# Altium PCB cam_cross_link.PcbDoc (part 2 of 4)
Units mm, origin at the board's own origin, x right, y up, seen from the top; angles counter-clockwise.
Board outline 68.55 x 39.09 mm, 6 copper layers (Signal_T, GND_T, PWR, Signal_INT, GND_B, Signal_B), stack 0.816 mm thick; 186 components, 134 nets, 893 pads, 753 vias.
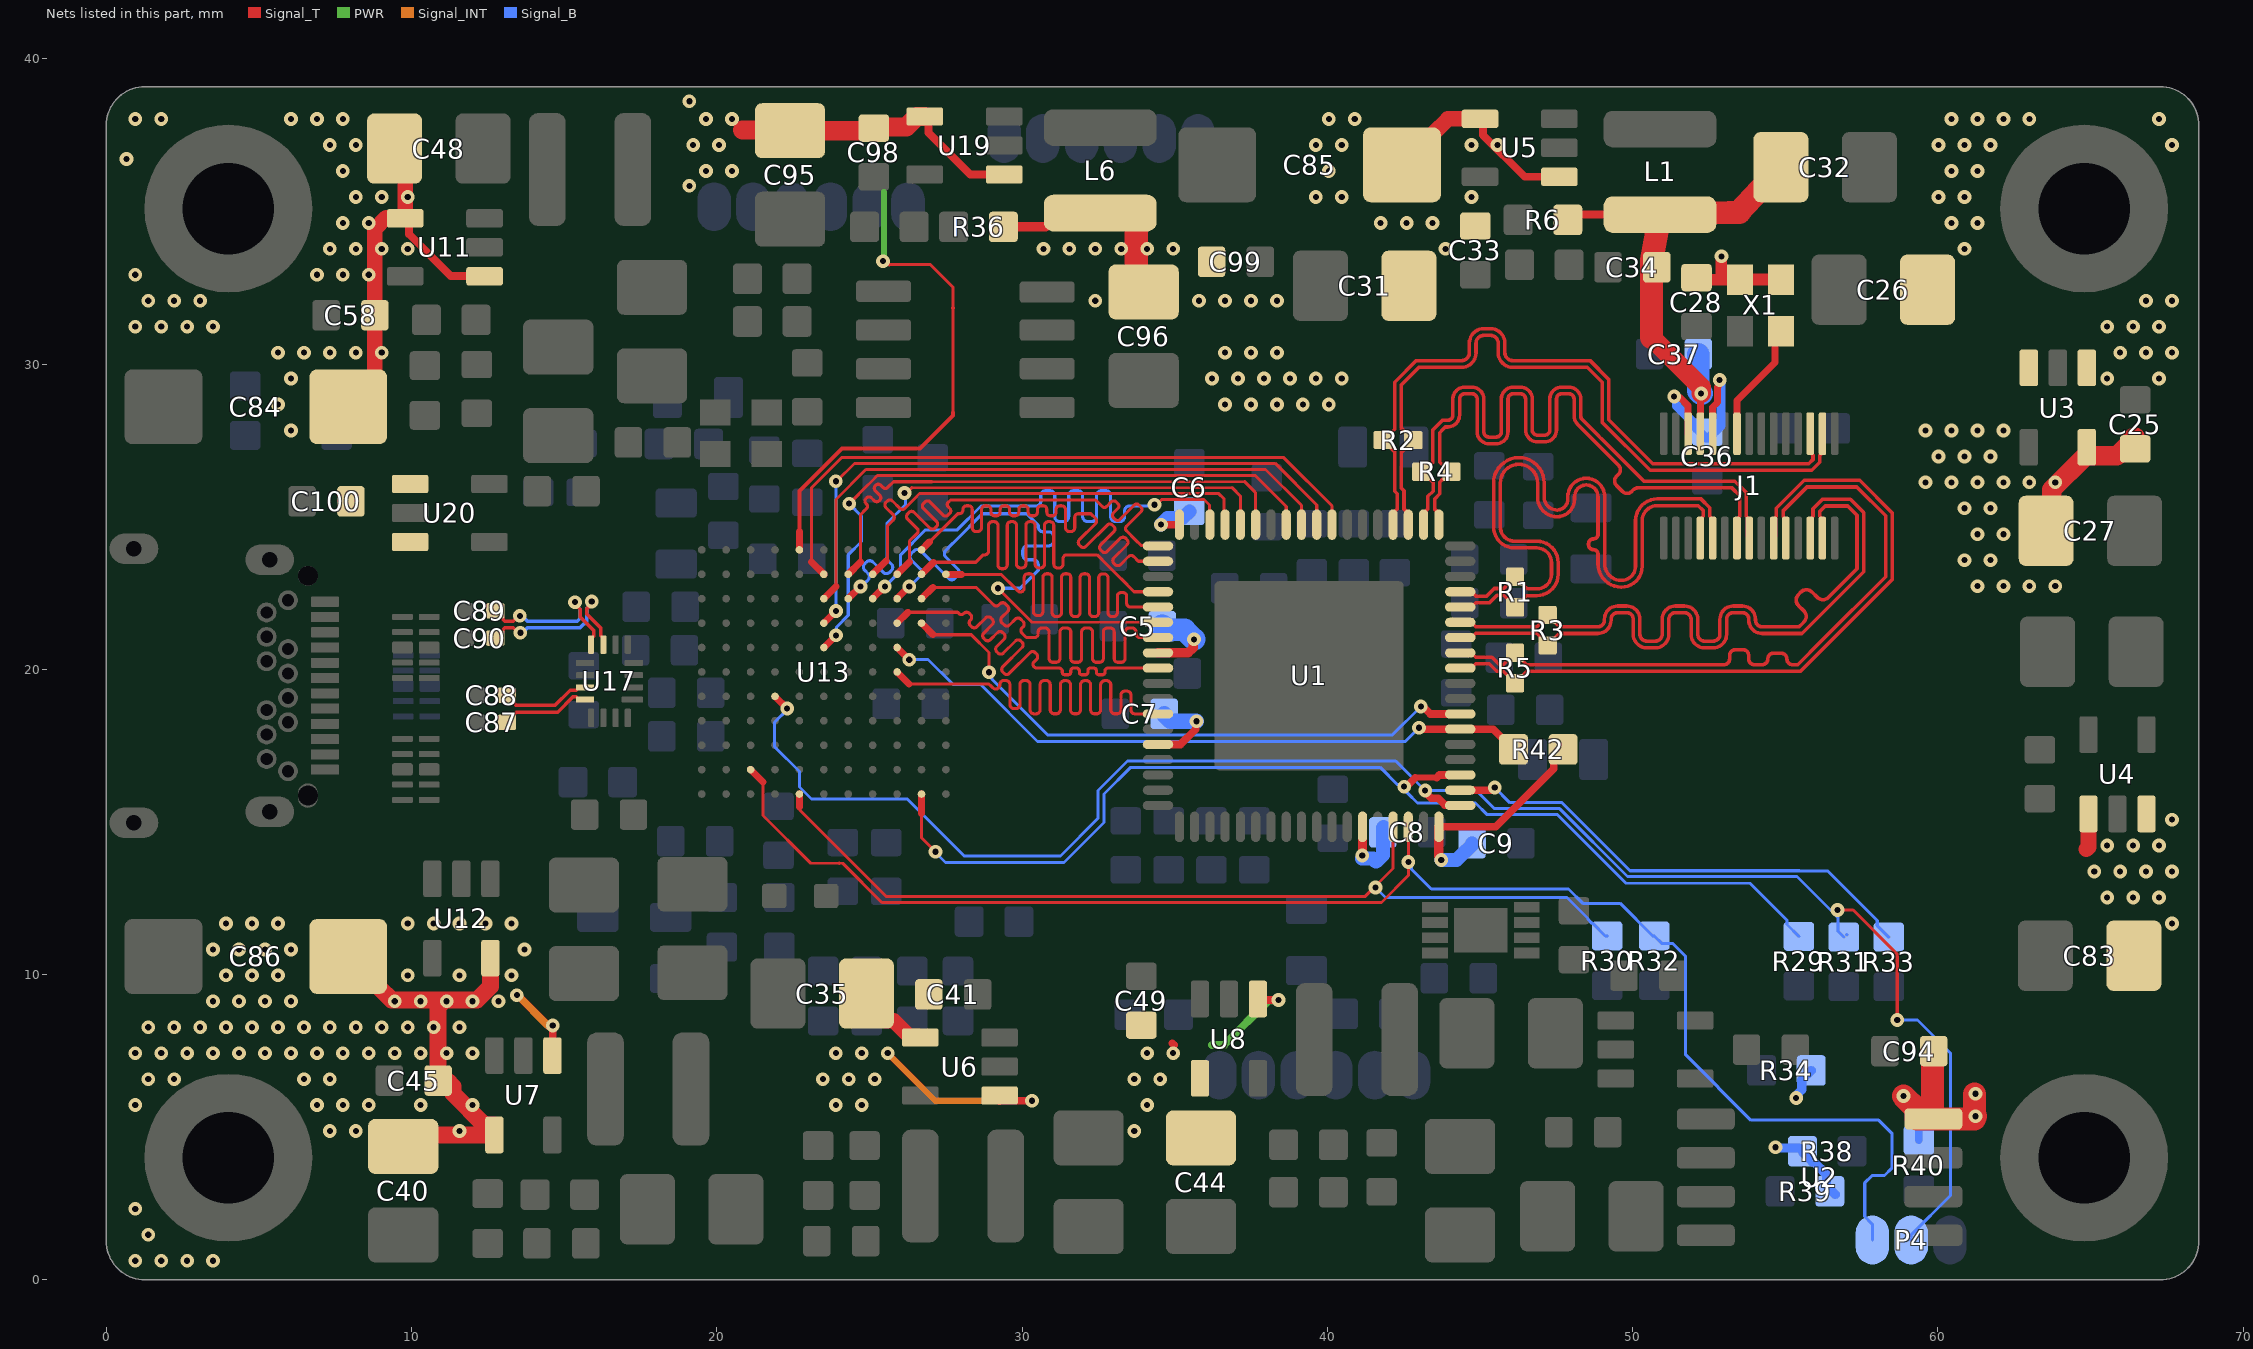
[diagram p6: the nets of this part, all layers, seen from the top]

## Via types
v1: diameter 0.45, hole 0.2, Signal_T to Signal_B, tented both sides, 740 vias
v2: diameter 0.5, hole 0.3, Signal_T to Signal_B, 9 vias
v3: diameter 0.45/0.45/0.45/0.45/0.45/0.45 (per signal layer), hole 0.2, Signal_T to Signal_B, tented both sides, 2 vias
v4: diameter 0.7, hole 0.3, Signal_T to Signal_B, 2 vias

## Nets (pads, with @x,y where several pads share a name; then routed paths per layer and width w, separated by ;. In a path a pad name is that pad's centre, name@x,y a point inside that pad or via, vN(x,y) a via of type N, cw(c..) or ccw(c..) an arc to the next point about the centre after c; other vN are vias at no path point) (continued)
+5V: C26.1 C31.1 C33.2 C35.1 C40.1 C41.2 C44.1 C45.2 C48.1 C49.2 C58.2 C83.1 C84.1 C85.1 C86.1 C95.1 C98.2 C100.2 U3.1 U3.3 U4.1 U4.3 U5.1 U5.4 U6.1 U6.4 U7.1 U7.4 U8.1 U8.4 U11.1 U11.4 U12.5 U13.E11 U19.1 U19.4 U20.1 U20.3 | length 78.3
  Signal_T w0.096: 25.65,33.257 26.994,33.257 27.737,32.515 27.737,31.834 ; 27.739,28.414 27.739,31.832
  Signal_T w0.127: 22.707,24.511 22.707,25.73 22.708,25.847 24.098,27.238 26.662,27.238 27.737,28.313 27.737,28.411 27.739,28.414 ; v1(25.449,33.371) 25.537,33.371 25.65,33.257 ; 27.737,31.834 27.739,31.832
  Signal_T w0.229: U13.E11@22.707,23.913 22.707,24.511
  Signal_T w0.254: U11.4@9.8,34.783 9.92,34.663 9.92,34.251 11.288,32.883 U11.1@12.4,32.883 ; U7.1@14.615,7.345 14.625,7.355 v1(14.625,8.333) ; U19.4@26.818,38.11 26.938,37.99 26.938,37.578 28.306,36.21 U19.1@29.418,36.21 ; U6.1@29.265,5.857 30.174,5.867 30.175,5.867 v1(30.328,5.867) ; 34.925,7.747 34.976,7.696 ; U8.1@37.729,9.199 37.759,9.17 v1(38.405,9.17) ; U5.4@45.004,38.034 45.099,37.939 45.099,37.502 46.467,36.134 U5.1@47.604,36.134
  Signal_T w0.508: C84.1@7.927,28.6 8.801,29.474 C58.2@8.801,31.598 8.801,34.43 9.169,34.798 9.785,34.798 9.8,34.783 9.8,36.705 C48.1@9.447,37.059 ; C35.1@24.905,9.377 24.905,9.127 25.551,8.481 25.801,8.481 26.301,7.981 26.619,7.981 U6.4@26.665,7.935 ; C85.1@42.446,36.525 42.496,36.525 43.467,37.496 43.467,37.546 43.955,38.034 U5.4@45.004,38.034 ; 64.872,14.097 64.938,14.163 U4.1@64.938,15.261
  Signal_T w0.559: C86.1@7.927,10.592 7.977,10.592 8.923,9.646 8.923,9.596 9.35,9.169 v1@11.1,9.169 ; C40.1@9.728,4.371 10.102,4.745 U7.4@12.715,4.745 12.715,5.045 12.695,5.066 12.395,5.066 11.359,6.101 11.359,6.332 C45.2@11.189,6.502 ; C45.2@10.871,6.528 10.871,8.941 v1@11.1,9.169 ; U12.5@12.583,10.536 12.583,9.611 12.141,9.169 v1@11.1,9.169
  Signal_T w0.635: 20.853,37.668 22.403,37.668 C95.1@22.403,37.645 25.146,37.645 C98.2@25.146,37.732 25.18,37.766 26.209,37.766 26.553,38.11 U19.4@26.818,38.11
  PWR w0.203: v1(25.449,33.371) 25.476,33.398 25.476,35.636
  PWR w0.254: 36.22,7.696 36.622,7.696 38.076,9.15 38.385,9.15 v1(38.405,9.17)
  Signal_INT w0.203: v1(25.6,7.424) 27.157,5.867 v1(30.328,5.867)
  Signal_INT w0.254: v1(13.45,9.324) 13.476,9.324 14.468,8.333 v1(14.625,8.333)
  other v1: 0.95,0.624 1.8,0.624 2.65,0.624 3.5,0.624 1.375,1.474 0.95,2.324 7.325,4.874 8.175,4.874 11.575,4.874 33.675,4.874 0.95,5.724 6.9,5.724 7.75,5.724 8.6,5.724 10.3,5.724 12,5.724 23.9,5.724 24.75,5.724 34.1,5.724 1.375,6.574 2.225,6.574 6.475,6.574 7.325,6.574 23.475,6.574 24.325,6.574 25.175,6.574 33.675,6.574 34.525,6.574 0.95,7.424 1.8,7.424 2.65,7.424 3.5,7.424 4.35,7.424 5.2,7.424 6.05,7.424 6.9,7.424 7.75,7.424 8.6,7.424 9.45,7.424 10.3,7.424 11.15,7.424 12,7.424 23.9,7.424 24.75,7.424 34.1,7.424 34.95,7.424 1.375,8.274 2.225,8.274 3.075,8.274 3.925,8.274 4.775,8.274 5.625,8.274 6.475,8.274 7.325,8.274 8.175,8.274 9.025,8.274 9.875,8.274 10.725,8.274 11.575,8.274 3.5,9.124 4.35,9.124 5.2,9.124 6.05,9.124 9.45,9.124 10.3,9.124 11.15,9.124 12,9.124 12.85,9.124 3.925,9.974 4.775,9.974 5.625,9.974 9.875,9.974 11.575,9.974 13.275,9.974 3.5,10.824 4.35,10.824 5.2,10.824 6.05,10.824 13.7,10.824 3.925,11.674 4.775,11.674 5.625,11.674 9.875,11.674 10.725,11.674 11.575,11.674 12.425,11.674 13.275,11.674 67.675,11.674 65.55,12.524 66.4,12.524 67.25,12.524 65.125,13.374 65.975,13.374 66.825,13.374 67.675,13.374 65.55,14.224 66.4,14.224 67.25,14.224 67.675,15.074 6.05,27.824 5.625,28.674 6.05,29.524 65.55,29.524 67.25,29.524 5.625,30.374 6.475,30.374 7.325,30.374 8.175,30.374 9.025,30.374 65.975,30.374 66.825,30.374 67.675,30.374 0.95,31.224 1.8,31.224 2.65,31.224 3.5,31.224 65.55,31.224 66.4,31.224 67.25,31.224 1.375,32.074 2.225,32.074 3.075,32.074 66.825,32.074 67.675,32.074 0.95,32.924 6.9,32.924 7.75,32.924 8.6,32.924 7.325,33.774 8.175,33.774 9.025,33.774 9.875,33.774 43.875,33.774 60.875,33.774 7.75,34.624 8.6,34.624 41.75,34.624 42.6,34.624 43.45,34.624 60.45,34.624 61.3,34.624 8.175,35.474 9.025,35.474 9.875,35.474 39.625,35.474 40.475,35.474 44.725,35.474 60.025,35.474 60.875,35.474 19.101,35.839 7.75,36.324 19.65,36.324 20.5,36.324 40.05,36.324 60.45,36.324 61.3,36.324 0.66,36.721 7.325,37.174 8.175,37.174 19.225,37.174 20.075,37.174 39.625,37.174 40.475,37.174 44.725,37.174 45.575,37.174 60.025,37.174 60.875,37.174 61.725,37.174 67.675,37.174 0.95,38.024 1.8,38.024 6.05,38.024 6.9,38.024 7.75,38.024 19.65,38.024 20.5,38.024 40.05,38.024 40.9,38.024 60.45,38.024 61.3,38.024 62.15,38.024 63,38.024 67.25,38.024 19.101,38.608
B1_N: C88.2 U17.11 | length 3
  Signal_T w0.117: C88.2@13.124,19.152 13.174,19.152 13.365,18.96 13.365,18.885 13.434,18.817 14.697,18.817 15.199,19.318 15.394,19.318 15.485,19.409 U17.11@15.685,19.409
B1_P: C87.2 U17.12 | length 3
  Signal_T w0.117: C87.2@13.124,18.263 13.174,18.263 13.365,18.454 13.365,18.529 13.434,18.598 14.788,18.598 15.289,19.099 15.394,19.099 15.485,19.009 U17.12@15.685,19.009
C1_N: C90.2 U17.7 | length 5.8
  Signal_T w0.117: C90.2@12.743,21.02 12.793,21.02 12.984,21.211 12.984,21.289 13.053,21.358 13.329,21.358 13.489,21.198 v1(13.564,21.198) ; v1@15.906,22.2 15.906,22.15 15.746,21.99 15.746,21.804 16.194,21.356 16.194,21.099 16.285,21.009 U17.7@16.285,20.809
  Signal_B w0.117: v1(13.564,21.198) 13.639,21.198 13.799,21.358 15.521,21.358 15.746,21.583 15.746,21.99 15.906,22.15 v1@15.906,22.2
  other v1: 15.906,22.225
C1_P: C89.2 U17.8 | length 5.5
  Signal_T w0.117: C89.2@12.743,21.915 12.793,21.915 12.984,21.723 12.984,21.646 13.053,21.577 13.329,21.577 13.489,21.737 v1@13.564,21.737 ; v1@15.367,22.2 15.367,22.125 15.527,21.965 15.527,21.713 15.975,21.265 15.975,21.099 15.885,21.009 U17.8@15.885,20.809
  Signal_B w0.117: v1@13.564,21.737 13.639,21.737 13.799,21.577 15.43,21.577 15.527,21.674 15.527,21.965 15.367,22.125 15.367,22.2 v1@15.367,22.29
  other v1: 13.548,21.752 15.354,22.2
C_1V2: C32.1 C34.2 C37.2 J1.27 L1.2 R6.1 | length 18.4
  Signal_T w0.229: J1.27@52.223,27.72 52.223,29.036 v1(52.248,29.036)
  Signal_T w0.254: R6.1@47.574,34.897 L1.2@50.622,34.897
  Signal_T w0.381: C34.2@50.622,33.376 L1.2@50.622,34.897
  Signal_T w0.635: 50.622,30.875 52.248,29.248 v1(52.248,29.036)
  Signal_T w0.762: 50.622,30.875 50.622,33.376 L1.2@50.902,34.897 53.174,34.966 53.492,34.976 C32.1@54.862,36.449
  Signal_B w0.737: v1@52.159,29.125 C37.2@52.159,30.328
  Signal_B w0.762: v1@52.159,29.125 v1(52.248,29.036)
C_1V8: C25.2 C27.1 C28.2 C36.2 J1.26 J1.28 U3.5 X1.1 X1.4 | length 15.7
  Signal_T w0.22: 52.623,28.584 52.783,28.744 52.783,29.249
  Signal_T w0.229: v1(51.365,28.936) 51.384,28.956 51.384,28.9 51.557,28.9 51.823,28.635 J1.28@51.823,27.72 ; J1.26@52.623,27.72 52.623,28.584 ; 52.783,29.249 52.811,29.277 52.811,29.433 v1(52.854,29.476)
  Signal_T w0.381: C28.2@52.095,32.829 52.163,32.762 52.908,32.762 ; v1(52.912,33.529) 52.908,33.529 52.908,32.762 ; X1.1@53.409,32.762 52.908,32.762 ; X1.1@53.517,32.768 X1.4@54.867,32.768
  Signal_T w0.635: C27.1@63.551,24.536 63.729,24.714 63.729,25.883 64.838,26.992 65.867,26.992 66.289,27.415 66.289,27.465 66.422,27.597 C25.2@66.472,27.597
  Signal_B w0.305: v1(51.365,28.936) 51.365,28.897 51.448,28.814 51.448,28.624 52.103,27.969 52.103,27.882 52.401,27.584 52.501,27.584 52.897,27.98 52.897,29.393 52.854,29.437 v1(52.854,29.476)
  other v1: 61.3,22.724 62.15,22.724 63,22.724 63.85,22.724 60.875,23.574 61.725,23.574 61.3,24.424 62.15,24.424 60.875,25.274 61.725,25.274 59.6,26.124 60.45,26.124 61.3,26.124 62.15,26.124 63,26.124 63.85,26.124 60.025,26.974 60.875,26.974 61.725,26.974 59.6,27.824 60.45,27.824 61.3,27.824 62.15,27.824
CAM_CLK: J1.24 X1.3 | length 3.9
  Signal_T w0.229: J1.24@53.423,27.72 53.423,28.8 54.667,30.045 54.667,30.869 X1.3@54.867,31.068
CAM_CLK_N: J1.5 R1.1 U1.69 | length 23.7
  Signal_T w0.117: U1.69@44.355,22.54 44.724,22.54 44.865,22.399 45.223,22.399 45.471,22.647 45.779,22.647 45.911,22.78 45.911,22.789 R1.1@46.152,23.03 46.547,22.635 46.866,22.635 ccw(c46.866,23.114) 47.346,23.114 47.346,23.495 ccw(c46.863,23.495) 46.863,23.978 46.136,23.978 cw(c46.136,24.663) 45.45,24.663 45.45,26.107 cw(c46.278,26.107) 46.278,26.935 cw(c46.278,26.105) 47.107,26.105 47.107,25.639 ccw(c47.529,25.639) 47.529,25.217 ccw(c47.529,25.568) 47.879,25.568 47.879,25.653 cw(c48.484,25.653) 48.484,26.258 cw(c48.484,25.654) 49.089,25.654 49.089,23.454 ccw(c49.632,23.454) 49.632,22.911 ccw(c49.632,23.378) 50.098,23.378 50.098,24.867 cw(c50.814,24.867) 50.814,25.582 52.246,25.582 52.532,25.296 52.532,25.01 52.56,24.982 52.56,24.363 J1.5@52.623,24.3
CAM_CLK_P: J1.4 R1.2 U1.68 | length 23.7
  Signal_T w0.117: U1.68@44.355,22.04 44.724,22.04 44.865,22.18 45.314,22.18 45.562,22.428 45.779,22.428 45.911,22.296 45.911,22.27 R1.2@46.152,22.03 46.538,22.416 46.866,22.416 ccw(c46.866,23.114) 47.565,23.114 47.565,23.495 ccw(c46.863,23.495) 46.863,24.197 46.136,24.197 cw(c46.136,24.663) 45.669,24.663 45.669,26.107 cw(c46.278,26.107) 46.278,26.716 cw(c46.278,26.105) 46.888,26.105 46.888,25.639 ccw(c47.529,25.639) 47.529,24.998 ccw(c47.529,25.568) 48.098,25.568 48.098,25.653 cw(c48.484,25.653) 48.484,26.039 cw(c48.484,25.654) 48.87,25.654 48.87,24.831 48.87,24.426 cw(c48.714,24.426) 48.714,24.27 ccw(c48.714,24.114) 48.558,24.114 48.558,24.079 ccw(c48.714,24.079) 48.714,23.923 cw(c48.714,23.767) 48.87,23.767 48.87,23.454 ccw(c49.632,23.454) 49.632,22.692 ccw(c49.632,23.378) 50.317,23.378 50.317,24.867 cw(c50.814,24.867) 50.814,25.363 52.155,25.363 52.313,25.205 52.313,25.01 52.286,24.982 52.286,24.363 J1.4@52.223,24.3
CAM_D0_N: J1.8 R4.1 U1.2 | length 23.7
  Signal_T w0.117: U1.2@43.155,24.74 43.155,25.109 43.295,25.25 43.295,25.665 43.469,25.838 43.469,26.123 ; 43.462,26.123 43.352,26.233 43.312,26.233 R4.1@43.071,26.473 43.312,26.714 43.392,26.714 43.462,26.783 43.462,27.845 43.774,28.158 43.942,28.158 ccw(c43.942,28.33) 44.115,28.33 44.115,28.854 cw(c44.506,28.854) 44.506,29.245 44.736,29.245 cw(c44.736,28.854) 45.128,28.854 45.128,27.781 ccw(c45.3,27.781) 45.3,27.609 45.53,27.609 ccw(c45.53,27.781) 45.703,27.781 45.703,28.854 cw(c46.094,28.854) 46.094,29.245 46.324,29.245 cw(c46.324,28.854) 46.715,28.854 46.715,27.842 ccw(c46.888,27.842) 46.888,27.67 47.118,27.67 ccw(c47.118,27.842) 47.29,27.842 47.29,28.854 cw(c47.682,28.854) 47.682,29.245 47.912,29.245 cw(c47.912,28.854) 48.303,28.854 48.303,28.303 ccw(c48.476,28.303) 48.354,28.181 48.911,27.624 49.002,27.533 50.374,26.161 53.351,26.161 53.732,25.78 53.732,25.01 53.76,24.982 53.76,24.363 J1.8@53.823,24.3
CAM_D0_P: J1.7 R4.2 U1.1 | length 23.6
  Signal_T w0.117: U1.1@43.655,24.74 43.655,25.109 43.514,25.25 43.514,25.574 43.688,25.748 43.688,26.123 ; 43.684,26.127 43.79,26.233 43.831,26.233 R4.2@44.071,26.473 43.831,26.714 43.75,26.714 43.681,26.783 43.681,27.755 43.774,27.848 43.865,27.939 43.942,27.939 ccw(c43.942,28.33) 44.334,28.33 44.334,28.854 cw(c44.506,28.854) 44.506,29.026 44.736,29.026 cw(c44.736,28.854) 44.909,28.854 44.909,27.781 ccw(c45.3,27.781) 45.3,27.39 45.53,27.39 ccw(c45.53,27.781) 45.921,27.781 45.921,28.854 cw(c46.094,28.854) 46.094,29.026 46.324,29.026 cw(c46.324,28.854) 46.496,28.854 46.496,27.842 ccw(c46.888,27.842) 46.888,27.451 47.118,27.451 ccw(c47.118,27.842) 47.509,27.842 47.509,28.854 cw(c47.682,28.854) 47.682,29.026 47.912,29.026 cw(c47.912,28.854) 48.084,28.854 48.084,28.303 ccw(c48.476,28.303) 48.199,28.026 48.756,27.469 49.002,27.223 49.54,26.685 cw(c49.391,26.536) 49.54,26.388 49.475,26.322 ccw(c49.624,26.173) 49.475,26.024 49.673,25.826 ccw(c49.822,25.975) 49.971,25.826 50.025,25.88 cw(c50.174,25.731) 50.174,25.942 50.885,25.942 53.26,25.942 53.513,25.689 53.513,25.01 53.486,24.982 53.486,24.363 J1.7@53.423,24.3
CAM_D1_N: J1.11 R5.1 U1.65 | length 23.7
  Signal_T w0.117: U1.65@44.355,20.54 44.724,20.54 44.865,20.399 45.394,20.399 45.643,20.15 45.761,20.15 R5.1@46.152,20.541 46.392,20.3 46.392,20.295 46.538,20.15 46.941,20.15 46.942,20.152 52.934,20.152 52.992,20.152 ccw(c52.992,20.339) 53.18,20.339 53.18,20.454 cw(c53.368,20.454) 53.368,20.641 53.618,20.641 cw(c53.618,20.454) 53.806,20.454 53.806,20.339 ccw(c53.993,20.339) 53.993,20.152 54.244,20.152 ccw(c54.244,20.339) 54.432,20.339 cw(c54.619,20.339) 54.619,20.527 54.87,20.527 cw(c54.87,20.339) 55.057,20.339 ccw(c55.245,20.339) 55.245,20.152 55.411,20.152 56.185,20.925 58.293,23.033 58.293,25.029 57.349,25.973 55.716,25.973 54.932,25.189 54.932,25.01 54.96,24.982 54.96,24.363 J1.11@55.023,24.3
CAM_D1_P: J1.10 R5.2 U1.64 | length 23.7
  Signal_T w0.117: U1.64@44.355,20.04 44.724,20.04 44.865,20.18 45.303,20.18 45.552,19.931 45.762,19.931 R5.2@46.152,19.541 ; R5.2@46.152,19.541 46.542,19.931 47.031,19.931 47.033,19.933 55.502,19.933 58.512,22.943 58.512,25.119 57.439,26.192 55.626,26.192 54.713,25.279 54.713,25.01 54.686,24.982 54.686,24.363 J1.10@54.623,24.3
CAM_D2_N: J1.14 R3.1 U1.67 | length 23.6
  Signal_T w0.117: U1.67@44.355,21.54 44.724,21.54 44.865,21.399 46.868,21.399 46.977,21.509 46.977,21.541 R3.1@47.218,21.782 47.608,21.391 48.692,21.391 48.86,21.391 ccw(c48.86,21.609) 49.078,21.609 49.078,21.638 cw(c49.515,21.638) 49.515,22.075 49.806,22.075 cw(c49.806,21.638) 50.243,21.638 50.243,21.144 ccw(c50.462,21.144) 50.462,20.926 50.753,20.926 ccw(c50.753,21.144) 50.971,21.144 50.971,21.638 cw(c51.408,21.638) 51.408,22.075 51.699,22.075 cw(c51.699,21.638) 52.136,21.638 52.136,21.144 ccw(c52.354,21.144) 52.354,20.926 52.645,20.926 ccw(c52.645,21.144) 52.863,21.144 52.863,21.638 cw(c53.301,21.638) 53.301,22.075 53.591,22.075 cw(c53.591,21.638) 54.029,21.638 54.029,21.609 ccw(c54.247,21.609) 54.247,21.391 55.452,21.391 55.572,21.511 55.575,21.514 55.617,21.555 ccw(c55.44,21.732) 55.617,21.909 55.433,22.093 cw(c55.61,22.27) 55.433,22.447 55.521,22.535 cw(c55.698,22.358) 55.875,22.535 56.059,22.352 ccw(c56.236,22.529) 56.413,22.352 56.782,22.72 57.353,23.292 57.353,25.044 57.302,25.095 57.048,25.349 56.312,25.349 56.132,25.169 56.132,25.01 56.16,24.982 56.16,24.363 J1.14@56.223,24.3
CAM_D2_P: J1.13 R3.2 U1.66 | length 23.6
  Signal_T w0.117: U1.66@44.355,21.04 44.724,21.04 44.865,21.18 46.868,21.18 46.977,21.071 46.977,21.022 R3.2@47.218,20.782 47.608,21.172 48.692,21.172 48.86,21.172 ccw(c48.86,21.609) 49.297,21.609 49.297,21.638 cw(c49.515,21.638) 49.515,21.856 49.806,21.856 cw(c49.806,21.638) 50.024,21.638 50.024,21.144 ccw(c50.462,21.144) 50.462,20.707 50.753,20.707 ccw(c50.753,21.144) 51.19,21.144 51.19,21.638 cw(c51.408,21.638) 51.408,21.856 51.699,21.856 cw(c51.699,21.638) 51.917,21.638 51.917,21.144 ccw(c52.354,21.144) 52.354,20.707 52.645,20.707 ccw(c52.645,21.144) 53.082,21.144 53.082,21.638 cw(c53.301,21.638) 53.301,21.856 53.591,21.856 cw(c53.591,21.638) 53.81,21.638 53.81,21.609 ccw(c54.247,21.609) 54.247,21.172 55.543,21.172 55.572,21.201 57.572,23.201 57.572,25.135 57.139,25.568 56.221,25.568 55.913,25.26 55.913,25.01 55.886,24.982 55.886,24.363 J1.13@55.823,24.3
CAM_D3_N: J1.17 R2.1 U1.3 | length 23.7
  Signal_T w0.117: U1.3@42.655,24.74 42.655,25.109 42.514,25.25 42.514,25.85 42.43,25.934 42.43,27.119 R2.1@42.82,27.51 42.58,27.75 42.566,27.75 42.43,27.887 42.43,29.318 43.006,29.895 44.232,29.895 44.4,29.895 ccw(c44.4,30.368) 44.874,30.368 44.874,30.685 cw(c45.128,30.685) 45.128,30.939 45.346,30.939 cw(c45.346,30.685) 45.601,30.685 45.601,30.368 ccw(c46.074,30.368) 46.074,29.895 48.26,29.895 48.515,29.895 49.006,29.404 49.006,28.086 50.577,26.516 55.866,26.516 56.132,26.782 56.132,27.01 56.16,27.037 56.16,27.657 J1.17@56.223,27.72
CAM_D3_P: J1.18 R2.2 U1.4 | length 23.7
  Signal_T w0.117: U1.4@42.155,24.74 42.155,25.109 42.295,25.25 42.295,25.749 42.211,25.834 ; 42.206,25.839 42.211,25.843 42.211,27.119 R2.2@41.82,27.51 42.061,27.75 42.098,27.75 42.211,27.862 42.211,29.409 42.915,30.114 44.232,30.114 44.4,30.114 ccw(c44.4,30.368) 44.655,30.368 44.655,30.685 cw(c45.128,30.685) 45.128,31.158 45.346,31.158 cw(c45.346,30.685) 45.82,30.685 45.82,30.368 ccw(c46.074,30.368) 46.074,30.114 48.26,30.114 48.606,30.114 49.225,29.494 49.225,28.177 50.667,26.735 55.776,26.735 55.913,26.872 55.913,27.01 55.886,27.037 55.886,27.657 J1.18@55.823,27.72
CSS: R33.2 U1.56 | length 16.2
  Signal_T w0.254: U1.56@44.355,16.04 45.398,16.04 v1(45.486,16.128)
  Signal_B w0.102: v1(45.486,16.128) 45.981,15.634 47.682,15.634 47.69,15.627 47.692,15.627 49.919,13.4 55.466,13.4 55.467,13.399 56.388,13.399 58.018,11.768 58.018,11.603 R33.2@58.395,11.227
DQ0_MOSI: R29.2 U1.57 U13.K1 | length 36.8
  Signal_T w0.102: 26.707,15.279 26.707,14.727 26.708,14.726 26.708,14.483 v1(27.167,14.024)
  Signal_T w0.2: 42.882,16.45 43.589,16.45
  Signal_T w0.229: 26.707,15.279 U13.K1@26.707,15.913
  Signal_T w0.254: v1(42.52,16.154) 42.586,16.154 42.882,16.45 ; 43.589,16.45 43.678,16.54 U1.57@44.355,16.54
  Signal_B w0.096: v1(27.167,14.024) 27.167,13.996 27.495,13.668 31.374,13.668 32.684,14.977 32.684,15.914 33.559,16.788 41.733,16.788 42.301,16.221 42.453,16.221 v1(42.52,16.154) 42.52,16.06 42.637,15.942 ; 42.637,15.942 42.955,15.624 44.852,15.624 45.238,15.238 47.539,15.238 49.784,12.992 53.848,12.992 55.059,11.781 55.059,11.642 R29.2@55.448,11.252
DQ1_MISO: R30.2 U1.51 U13.E1 | length 31.2
  Signal_T w0.096: 22.707,15.403 25.547,12.563 41.244,12.563
  Signal_T w0.102: 22.707,15.403 22.707,15.482 ; 41.244,12.563 v1@41.554,12.873 ; v1(41.582,12.851) 41.582,12.9 42.155,13.474 U1.51@42.155,14.84
  Signal_T w0.229: 22.707,15.482 U13.E1@22.707,15.913
  Signal_B w0.102: v1(41.582,12.851) 41.91,12.522 47.854,12.522 48.539,11.836 48.539,11.81 48.669,11.68 48.693,11.68 49.109,11.264 R30.2@49.171,11.264
DQ2: P4.2 R31.2 U1.55 U13.D5 | length 58.5
  Signal_T w0.102: v3(56.718,12.116) 57.226,12.116 58.674,10.668 v3(58.674,8.509)
  Signal_T w0.229: U13.D5@21.907,19.113 v1@22.326,18.694
  Signal_T w0.254: v1(43.205,16.027) 43.205,15.977 43.409,15.773 43.637,15.773 43.852,15.558 44.336,15.558 U1.55@44.355,15.54
  Signal_B w0.096: v1@22.327,18.694 21.895,18.262 21.895,17.464 22.708,16.651 22.708,16.144 23.103,15.748 26.241,15.748 28.105,13.884 31.258,13.884 32.492,15.119 32.492,15.993 32.493,15.994 32.493,16.034 33.452,16.993 42.24,16.993 v1(43.205,16.027) 44.881,16.027 45.474,15.435 47.612,15.435 47.617,15.429 49.839,13.208 55.386,13.208 56.598,11.996 56.718,11.876 ; v3(56.718,12.116) 56.718,11.876 ; R31.2@56.921,11.227 56.729,11.419 56.729,11.608 56.729,11.865 56.718,11.876
  Signal_B w0.102: R31.2@57.01,11.316 R31.2@57.023,11.303 ; v3(58.674,8.509) 59.334,8.509 60.418,7.426 60.418,2.763 59.128,1.474 P4.2@59.128,1.304
  other v1: 22.307,18.713
DQ3: P4.1 R32.2 U1.52 U13.C2 | length 51.7
  Signal_T w0.096: 21.514,15.21 23.077,13.647 24.013,13.647 ; 24.014,13.646 24.124,13.646 25.407,12.362 41.776,12.362 42.655,13.241
  Signal_T w0.102: 21.514,15.21 21.514,16.307 ; 24.013,13.647 24.014,13.646 ; 42.655,13.241 v1(42.655,13.691) U1.52@42.655,14.84
  Signal_T w0.229: U13.C2@21.107,16.713 21.514,16.307
  Signal_B w0.102: v1(42.655,13.691) 42.655,13.596 42.752,13.499 42.752,13.458 43.409,12.802 47.904,12.802 48.373,12.333 49.595,12.333 50.664,11.264 R32.2@50.715,11.264 50.956,11.023 51.308,11.023 51.74,10.592 51.74,7.371 53.878,5.232 58.064,5.232 58.496,4.801 58.496,3.657 58.257,3.418 57.85,3.418 57.609,3.177 57.609,2.073 57.858,1.824 P4.1@57.858,1.304
FPGA_1V8: C5.2 C6.2 C7.2 C8.2 C9.2 C94.2 C96.1 C99.2 L6.2 R34.1 R36.1 R38.1 R39.1 R40.1 R42.1 U1.18 U1.26 U1.32 U1.49 U1.54 U2.8 | length 36.4
  Signal_T w0.254: U1.32@34.455,17.54 35.193,17.54 35.689,18.036 v1@35.689,18.249 ; v1(34.556,24.74) U1.18@35.155,24.74 ; U1.54@43.655,14.84 45.521,14.84 47.423,16.742 47.423,17.069 R42.1@47.727,17.374
  Signal_T w0.305: R36.1@29.388,34.493 30.779,34.493 31.233,34.947 L6.2@32.563,34.947 ; U1.26@34.455,20.54 35.449,20.54 35.608,20.699 35.608,20.953 v1(35.636,20.98) ; v1@41.155,13.903 U1.49@41.155,14.84 ; U1.54@43.655,14.84 43.655,13.871 43.734,13.792 v1(43.734,13.753)
  Signal_T w0.762: L6.2@32.563,34.947 33.527,34.947 33.746,34.728 33.746,32.601 C96.1@33.985,32.362 ; v1(58.877,6.02) 59.286,5.611 59.286,5.297 59.317,5.266 U2.8@59.829,5.266 ; C94.2@59.829,7.395 U2.8@59.829,5.266 ; v1@61.206,5.27 v1@61.206,5.326 ; v1@61.206,6.08 v1@61.206,5.326 ; v1(61.239,5.359) v1@61.206,5.326 ; U2.8@59.829,5.266 U2.8@59.855,5.266 61.146,5.266 v1@61.206,5.326
  Signal_B w0.254: v1(58.877,6.02) 59.379,5.518 R40.1@59.379,4.572
  Signal_B w0.305: v1(54.686,4.343) 54.714,4.316 55.465,4.316 R38.1@55.566,4.215 55.566,4.19 55.889,3.867 55.939,3.867 56.356,3.45 56.356,3.08 R39.1@56.642,2.794 ; v1(55.36,5.955) 55.388,5.983 55.388,6.066 55.546,6.224 55.546,6.549 R34.1@55.855,6.858
  Signal_B w0.45: v1(43.734,13.753) 44.241,13.753
  Signal_B w0.457: v1(34.556,24.74) 34.767,24.95 35.262,24.95 C6.2@35.484,25.171 ; v1@41.145,13.799 41.493,13.799 41.596,13.695 41.821,13.92 41.821,14.808 41.847,14.834 C8.2@42.016,14.665 ; 44.241,13.753 44.517,14.029 44.521,14.029 44.742,14.25 C9.2@44.742,14.3
  Signal_B w0.508: C7.2@34.658,18.542 34.658,18.495 34.854,18.299 v1(35.715,18.299)
  Signal_B w0.737: C5.2@34.664,21.293 35.323,21.293 v1(35.636,20.98)
  Signal_B w0.762: C5.2@34.595,21.412 34.595,21.362 C5.2@34.664,21.293
  other v1: 61.239,6.096 41.145,13.9 36.65,28.674 37.5,28.674 38.35,28.674 39.2,28.674 40.05,28.674 36.225,29.524 37.075,29.524 37.925,29.524 38.775,29.524 39.625,29.524 40.475,29.524 36.65,30.374 37.5,30.374 38.35,30.374 32.4,32.074 35.8,32.074 36.65,32.074 37.5,32.074 38.35,32.074 30.7,33.774 31.55,33.774 32.4,33.774 33.25,33.774 34.1,33.774 34.95,33.774
FPGA_CLK: U1.30 U13.J6 | length 20.6
  Signal_T w0.102: 26.3,19.521 28.917,19.521 28.956,19.482 29.046,19.392 ccw(c29.139,19.486) 29.271,19.486 29.271,19.498 cw(c29.404,19.498) 29.404,19.63 29.47,19.63 cw(c29.47,19.498) 29.602,19.498 29.602,18.847 ccw(c29.734,18.847) 29.734,18.715 29.8,18.715 ccw(c29.8,18.847) 29.932,18.847 29.932,19.498 cw(c30.065,19.498) 30.065,19.63 30.131,19.63 cw(c30.131,19.498) 30.263,19.498 30.263,18.674 ccw(c30.395,18.674) 30.395,18.542 30.461,18.542 ccw(c30.461,18.674) 30.594,18.674 30.594,19.498 cw(c30.726,19.498) 30.726,19.63 30.792,19.63 cw(c30.792,19.498) 30.924,19.498 30.924,18.675 ccw(c31.057,18.675) 31.057,18.543 31.123,18.543 ccw(c31.123,18.675) 31.255,18.675 31.255,19.495 cw(c31.387,19.495) 31.387,19.627 31.453,19.627 cw(c31.453,19.495) 31.585,19.495 31.585,18.675 ccw(c31.718,18.675) 31.718,18.543 31.784,18.543 ccw(c31.784,18.675) 31.916,18.675 31.916,19.495 cw(c32.048,19.495) 32.048,19.627 32.114,19.627 cw(c32.114,19.495) 32.247,19.495 32.247,18.675 ccw(c32.379,18.675) 32.379,18.543 32.445,18.543 ccw(c32.445,18.675) 32.577,18.675 32.577,19.495 cw(c32.71,19.495) 32.71,19.627 32.776,19.627 cw(c32.776,19.495) 32.908,19.495 32.908,18.675 ccw(c33.04,18.675) 33.04,18.543 33.106,18.543 ccw(c33.106,18.675) 33.238,18.675 33.238,19.154 cw(c33.371,19.154) 33.371,19.286 33.437,19.286 cw(c33.437,19.154) 33.569,19.154 33.569,18.672 ccw(c33.701,18.672) 33.701,18.54 33.909,18.54 U1.30@34.455,18.54
  Signal_T w0.229: U13.J6@25.907,19.913 26.3,19.521
FPGA_CTL0: U1.61 U13.K8 | length 20.1
  Signal_T w0.102: 27.088,21.133 28.337,21.133 28.918,20.552 v1(28.918,19.904)
  Signal_T w0.229: U13.K8@26.707,21.513 27.088,21.133
  Signal_T w0.254: v1(43.066,18.784) 43.133,18.784 43.377,18.54 U1.61@44.355,18.54
  Signal_B w0.096: v1(28.918,19.904) 28.918,19.81 29.018,19.71 29.018,19.674 30.85,17.842 42.124,17.842 v1(43.066,18.784)
FPGA_CTL1: R42.2 U1.60 U13.J7 | length 22.1
  Signal_T w0.102: U13.J7@25.907,20.713 25.951,20.713 U13.J7@26.007,20.658
  Signal_T w0.229: U13.J7@25.907,20.713 26.301,20.32 v1@26.314,20.32
  Signal_T w0.254: v1(43.002,18.085) 43.047,18.04 U1.60@44.355,18.04 45.435,18.04 45.728,17.747 45.753,17.747 46.101,17.399 R42.2@46.101,17.374
  Signal_B w0.096: v1@26.314,20.32 26.921,20.32 27.734,19.507 28.641,19.507 30.51,17.638 42.556,17.638 v1(43.002,18.085)
  other v1: 26.307,20.313
FPGA_D0: U1.8 U13.F10 | length 21.7
  Signal_T w0.096: 23.105,25.947 24.104,26.945 38.562,26.945
  Signal_T w0.102: 23.105,23.515 23.105,25.947 ; 38.562,26.945 40.155,25.353 U1.8@40.155,24.74
  Signal_T w0.229: 23.105,23.515 U13.F10@23.507,23.113
FPGA_D1: U1.10 U13.F9 | length 20.2
  Signal_T w0.096: 23.901,25.566 24.883,26.548 37.977,26.548
  Signal_T w0.102: 23.901,22.707 23.901,25.566 ; 37.977,26.548 39.155,25.37 U1.10@39.155,24.74
  Signal_T w0.229: U13.F9@23.507,22.313 23.901,22.707
FPGA_D2: U1.11 U13.F7 | length 21.1
  Signal_T w0.096: 24.968,26.057 25.165,26.254 ; 25.261,26.349 37.641,26.349
  Signal_T w0.102: v1(24.336,25.426) 24.338,25.426 24.968,26.056 24.968,26.057 ; 25.165,26.254 25.166,26.254 25.261,26.349 ; 37.641,26.349 38.655,25.335 U1.11@38.655,24.74
  Signal_T w0.229: U13.F7@23.507,20.713 v1@23.888,21.094
  Signal_B w0.102: v1@23.888,21.094 23.926,21.132 23.926,21.387 24.308,21.769 24.308,23.749 24.743,24.184 24.743,25.019 v1(24.336,25.426)
  other v1: 23.907,21.113
FPGA_D3: U1.13 U13.G10 | length 17.6
  Signal_T w0.096: 27.043,26.144 37.297,26.144
  Signal_T w0.102: 24.714,23.52 24.714,25.07 24.867,25.222 24.903,25.258 ccw(c24.822,25.339) 24.903,25.42 24.888,25.435 cw(c24.969,25.516) 24.888,25.597 24.906,25.615 cw(c24.987,25.534) 25.068,25.615 25.159,25.524 ccw(c25.24,25.604) 25.321,25.524 25.339,25.541 ccw(c25.258,25.622) 25.339,25.703 25.193,25.849 cw(c25.274,25.93) 25.193,26.011 25.211,26.029 cw(c25.292,25.948) 25.373,26.029 25.442,25.96 ccw(c25.523,26.041) 25.604,25.96 25.789,26.144 27.043,26.144 ; 37.297,26.144 37.643,25.798 U1.13@37.643,24.785
  Signal_T w0.229: U13.G10@24.307,23.113 24.714,23.52
FPGA_D4: U1.14 U13.G9 | length 17.6
  Signal_T w0.096: 26.388,25.947 36.882,25.947
  Signal_T w0.102: v1@26.154,25.78 26.221,25.78 26.388,25.947 ; 36.882,25.947 37.155,25.674 U1.14@37.155,24.74
  Signal_T w0.229: U13.G9@24.307,22.313 24.702,22.708 v1@24.74,22.708
  Signal_B w0.102: v1@24.74,22.708 24.917,22.885 24.953,22.921 ccw(c24.845,23.029) 24.953,23.137 24.847,23.243 cw(c24.955,23.351) 24.847,23.459 24.901,23.513 cw(c25.009,23.405) 25.117,23.513 25.45,23.18 ccw(c25.558,23.288) 25.665,23.18 25.719,23.234 ccw(c25.611,23.342) 25.719,23.45 25.622,23.547 cw(c25.73,23.655) 25.578,23.655 25.578,24.165 25.578,24.79 26.187,25.4 26.187,25.747 v1@26.154,25.78
  other v1: 24.707,22.713 26.147,25.777
FPGA_D5: U1.9 U13.F8 | length 22
  Signal_T w0.096: v1@23.926,26.161 24.511,26.746 38.29,26.746
  Signal_T w0.102: v1(23.901,26.161) v1@23.926,26.161 ; 38.29,26.746 39.655,25.382 U1.9@39.655,24.74
  Signal_T w0.229: U13.F8@23.507,21.513 v1@23.901,21.907
  Signal_B w0.102: v1@23.901,21.907 v1(23.901,26.161)
  other v1: 23.907,21.913
FPGA_D6: U1.15 U13.H10 | length 15.1
  Signal_T w0.096: 26.468,25.577 26.646,25.755 36.445,25.755
  Signal_T w0.102: 25.543,23.549 25.593,23.599 25.593,24.702 25.742,24.852 25.778,24.888 ccw(c25.692,24.974) 25.778,25.06 25.541,25.298 cw(c25.628,25.384) 25.541,25.47 25.584,25.513 cw(c25.671,25.427) 25.757,25.513 25.994,25.276 ccw(c26.08,25.363) 26.167,25.276 26.468,25.577 ; 36.445,25.755 36.62,25.58 U1.15@36.62,24.762
  Signal_T w0.229: U13.H10@25.107,23.113 25.543,23.549
FPGA_D7: U1.16 U13.H9 | length 18.5
  Signal_T w0.102: v1(34.341,25.389) 34.4,25.389 34.575,25.564 35.959,25.564 36.142,25.38 36.142,24.752 U1.16@36.155,24.74
  Signal_T w0.229: U13.H9@25.107,22.313 v1@25.502,22.708
  Signal_B w0.102: v1@25.502,22.708 26.022,23.228 26.022,23.756 26.824,24.557 27.864,24.557 28.656,25.349 30.404,25.349 30.455,25.349 ccw(c30.455,25.509) 30.615,25.509 30.615,25.695 cw(c30.775,25.695) 30.775,25.856 30.912,25.856 cw(c30.912,25.695) 31.072,25.695 31.072,25.003 ccw(c31.233,25.003) 31.233,24.843 31.37,24.843 ccw(c31.37,25.003) 31.53,25.003 31.53,25.695 cw(c31.69,25.695) 31.69,25.856 31.827,25.856 cw(c31.827,25.695) 31.988,25.695 31.988,25.003 ccw(c32.148,25.003) 32.148,24.843 32.285,24.843 ccw(c32.285,25.003) 32.445,25.003 32.445,25.695 cw(c32.605,25.695) 32.605,25.856 32.743,25.856 cw(c32.743,25.695) 32.903,25.695 32.903,25.003 ccw(c33.063,25.003) 33.063,24.843 33.2,24.843 ccw(c33.2,25.003) 33.36,25.003 33.36,25.189 cw(c33.521,25.189) 33.521,25.349 33.858,25.349 34.301,25.349 v1(34.341,25.389)
  other v1: 25.507,22.713
FPGA_D8: U1.19 U13.J10 | length 15.9
  Signal_T w0.094: 28.104,25.548 32.41,25.548
  Signal_T w0.102: 26.315,23.521 26.315,24.206 26.53,24.422 26.566,24.458 ccw(c26.491,24.533) 26.566,24.609 26.245,24.93 cw(c26.321,25.005) 26.245,25.081 26.31,25.146 cw(c26.386,25.07) 26.461,25.146 26.986,24.621 ccw(c27.062,24.696) 27.137,24.621 27.202,24.686 ccw(c27.126,24.761) 27.202,24.837 26.766,25.273 cw(c26.841,25.349) 26.766,25.424 26.83,25.489 cw(c26.906,25.413) 26.981,25.489 27.42,25.051 ccw(c27.495,25.126) 27.571,25.051 27.635,25.115 ccw(c27.56,25.191) 27.635,25.266 27.581,25.321 cw(c27.656,25.397) 27.581,25.472 27.657,25.548 28.033,25.548 28.104,25.548 ; 32.41,25.548 32.587,25.371 32.623,25.335 ccw(c32.698,25.411) 32.774,25.335 32.927,25.489 cw(c33.003,25.413) 33.078,25.489 33.143,25.424 cw(c33.068,25.349) 33.143,25.273 32.991,25.121 ccw(c33.067,25.045) 32.991,24.97 33.056,24.905 ccw(c33.131,24.981) 33.207,24.905 33.682,25.38 cw(c33.757,25.304) 33.833,25.38 33.897,25.315 cw(c33.822,25.24) 33.897,25.164 33.421,24.688 ccw(c33.497,24.612) 33.421,24.537 33.729,24.229 33.896,24.062 U1.19@34.42,24.062
  Signal_T w0.229: U13.J10@25.907,23.113 26.315,23.521
FPGA_D9: U1.24 U13.J9 | length 19.1
  Signal_T w0.092: v1(29.21,22.657) 30.327,21.54 U1.24@34.455,21.54
  Signal_T w0.229: U13.J9@25.907,22.313 26.302,22.708 v1@26.314,22.708
  Signal_B w0.102: v1@26.314,22.708 26.639,23.032 26.675,23.068 ccw(c26.568,23.175) 26.675,23.282 26.376,23.581 cw(c26.483,23.688) 26.376,23.795 26.467,23.886 cw(c26.574,23.78) 26.681,23.886 27.59,22.978 ccw(c27.697,23.085) 27.804,22.978 27.895,23.07 ccw(c27.788,23.177) 27.895,23.284 27.5,23.679 cw(c27.607,23.786) 27.5,23.893 27.653,24.046 27.686,24.079 27.826,24.219 28.702,25.095 30.15,25.095 30.531,24.714 30.531,24.663 ccw(c30.691,24.663) 30.691,24.503 30.877,24.503 cw(c30.877,24.343) 31.037,24.343 31.037,24.206 cw(c30.877,24.206) 30.877,24.046 30.185,24.046 ccw(c30.185,23.885) 30.024,23.885 30.024,23.748 ccw(c30.185,23.748) 30.185,23.588 30.371,23.588 cw(c30.371,23.428) 30.531,23.428 30.531,23.241 30.404,23.114 29.947,22.657 v1(29.21,22.657)
  other v1: 26.307,22.713
FPGA_D10: U1.20 U13.K11 | length 18.3
  Signal_T w0.102: 26.972,24.178 27.891,25.097 27.942,25.097 ccw(c27.942,25.219) 28.064,25.219 28.064,25.236 cw(c28.186,25.236) 28.186,25.358 28.247,25.358 cw(c28.247,25.236) 28.369,25.236 28.369,24.636 ccw(c28.491,24.636) 28.491,24.514 28.552,24.514 ccw(c28.552,24.636) 28.674,24.636 28.674,25.236 cw(c28.796,25.236) 28.796,25.358 28.857,25.358 cw(c28.857,25.236) 28.979,25.236 28.979,25.152 ccw(c29.101,25.152) 29.101,25.03 29.162,25.03 ccw(c29.162,25.152) 29.285,25.152 29.285,25.236 cw(c29.407,25.236) 29.407,25.358 29.468,25.358 cw(c29.468,25.236) 29.59,25.236 29.59,25.152 ccw(c29.712,25.152) 29.712,25.03 29.773,25.03 ccw(c29.773,25.152) 29.895,25.152 29.895,25.236 cw(c30.017,25.236) 30.017,25.358 30.078,25.358 cw(c30.078,25.236) 30.2,25.236 30.2,25.152 ccw(c30.322,25.152) 30.322,25.03 30.383,25.03 ccw(c30.383,25.152) 30.505,25.152 30.505,25.236 cw(c30.627,25.236) 30.627,25.358 30.689,25.358 cw(c30.689,25.236) 30.811,25.236 30.811,25.152 ccw(c30.933,25.152) 30.933,25.03 30.994,25.03 ccw(c30.994,25.152) 31.116,25.152 31.116,25.236 cw(c31.238,25.236) 31.238,25.358 31.299,25.358 cw(c31.299,25.236) 31.421,25.236 31.421,24.636 ccw(c31.543,24.636) 31.543,24.514 31.604,24.514 ccw(c31.604,24.636) 31.726,24.636 31.726,24.975 cw(c31.848,24.975) 31.848,25.097 32.136,25.097 32.143,25.097 32.256,25.097 32.408,24.945 cw(c32.322,24.859) 32.408,24.772 31.879,24.243 ccw(c31.965,24.157) 31.879,24.071 31.922,24.028 ccw(c32.009,24.114) 32.095,24.028 32.791,24.724 cw(c32.877,24.637) 32.963,24.724 33.007,24.68 cw(c32.92,24.594) 33.007,24.508 32.577,24.078 ccw(c32.663,23.992) 32.577,23.905 32.62,23.862 ccw(c32.706,23.949) 32.793,23.862 33.221,24.291 cw(c33.307,24.204) 33.394,24.291 33.437,24.247 cw(c33.351,24.161) 33.437,24.075 33.008,23.646 ccw(c33.095,23.56) 33.008,23.474 33.052,23.431 ccw(c33.138,23.517) 33.224,23.431 33.487,23.693 cw(c33.573,23.607) 33.66,23.693 33.808,23.545 33.814,23.54 U1.20@34.455,23.54
  Signal_T w0.229: U13.K11@26.707,23.913 26.972,24.178
FPGA_D11: U1.23 U13.L10 | length 20.3
  Signal_T w0.102: 28.016,23.114 28.028,23.102 29.33,23.102 29.776,22.656 29.863,22.569 ccw(c29.949,22.656) 30.071,22.656 30.071,23.008 cw(c30.193,23.008) 30.193,23.13 30.254,23.13 cw(c30.254,23.008) 30.376,23.008 30.376,21.882 ccw(c30.498,21.882) 30.498,21.76 30.559,21.76 ccw(c30.559,21.882) 30.681,21.882 30.681,23.008 cw(c30.803,23.008) 30.803,23.13 30.865,23.13 cw(c30.865,23.008) 30.987,23.008 30.987,21.852 ccw(c31.109,21.852) 31.109,21.73 31.17,21.73 ccw(c31.17,21.852) 31.292,21.852 31.292,23.008 cw(c31.414,23.008) 31.414,23.13 31.475,23.13 cw(c31.475,23.008) 31.597,23.008 31.597,21.852 ccw(c31.719,21.852) 31.719,21.73 31.78,21.73 ccw(c31.78,21.852) 31.902,21.852 31.902,23.008 cw(c32.024,23.008) 32.024,23.13 32.085,23.13 cw(c32.085,23.008) 32.207,23.008 32.207,21.852 ccw(c32.33,21.852) 32.33,21.73 32.391,21.73 ccw(c32.391,21.852) 32.513,21.852 32.513,23.001 cw(c32.635,23.001) 32.635,23.123 32.696,23.123 cw(c32.696,23.001) 32.818,23.001 32.818,21.852 ccw(c32.94,21.852) 32.94,21.73 33.001,21.73 ccw(c33.001,21.852) 33.123,21.852 33.123,22.39 cw(c33.245,22.39) 33.245,22.513 33.306,22.513 cw(c33.306,22.39) 33.428,22.39 33.428,22.162 ccw(c33.55,22.162) 33.55,22.04 33.757,22.04 U1.23@34.455,22.04
  Signal_T w0.229: U13.L10@27.507,23.113 28.016,23.113
FPGA_D12: U1.22 U13.K10 | length 19.7
  Signal_T w0.099: 31.775,23.749 32.461,23.749 32.817,23.393 33.249,22.962
  Signal_T w0.102: 27.101,23.507 28.487,23.507 28.729,23.749 28.731,23.749 28.782,23.749 ccw(c28.782,23.871) 28.904,23.871 28.904,24.714 cw(c29.026,24.714) 29.026,24.837 29.087,24.837 cw(c29.087,24.714) 29.209,24.714 29.209,23.417 ccw(c29.331,23.417) 29.331,23.295 29.392,23.295 ccw(c29.392,23.417) 29.514,23.417 29.514,24.714 cw(c29.636,24.714) 29.636,24.837 29.697,24.837 cw(c29.697,24.714) 29.82,24.714 29.82,23.445 ccw(c29.942,23.445) 29.942,23.323 30.003,23.323 ccw(c30.003,23.445) 30.125,23.445 30.125,24.714 cw(c30.247,24.714) 30.247,24.837 30.308,24.837 cw(c30.308,24.714) 30.43,24.714 30.43,23.445 ccw(c30.552,23.445) 30.552,23.323 30.613,23.323 ccw(c30.613,23.445) 30.735,23.445 30.735,24.714 cw(c30.857,24.714) 30.857,24.837 30.918,24.837 cw(c30.918,24.714) 31.04,24.714 31.04,23.444 ccw(c31.162,23.444) 31.162,23.322 31.223,23.322 ccw(c31.223,23.444) 31.346,23.444 31.346,23.627 cw(c31.468,23.627) 31.468,23.749 31.775,23.749 ; 33.249,22.962 33.671,22.54 U1.22@34.455,22.54
  Signal_T w0.229: U13.K10@26.707,23.113 27.101,23.507
FPGA_D13: U1.25 U13.K9 | length 18.3
  Signal_T w0.102: 27.076,22.682 28.5,22.682 29.033,22.149 29.069,22.113 ccw(c29.157,22.202) 29.245,22.113 29.277,22.146 cw(c29.365,22.058) 29.454,22.146 29.529,22.07 cw(c29.441,21.982) 29.529,21.894 29.34,21.705 ccw(c29.428,21.617) 29.34,21.529 29.415,21.453 ccw(c29.503,21.541) 29.591,21.453 29.781,21.642 cw(c29.869,21.554) 29.957,21.642 30.033,21.567 cw(c29.944,21.479) 30.033,21.391 30,21.358 ccw(c30.088,21.27) 30,21.182 30.143,21.04 30.336,21.04 30.353,21.04 30.404,21.04 ccw(c30.404,21.164) 30.528,21.164 30.528,21.226 cw(c30.653,21.226) 30.653,21.351 30.76,21.351 cw(c30.76,21.226) 30.884,21.226 30.884,20.356 ccw(c31.009,20.356) 31.009,20.231 31.116,20.231 ccw(c31.116,20.356) 31.24,20.356 31.24,21.226 cw(c31.365,21.226) 31.365,21.351 31.472,21.351 cw(c31.472,21.226) 31.596,21.226 31.596,20.356 ccw(c31.721,20.356) 31.721,20.231 31.828,20.231 ccw(c31.828,20.356) 31.952,20.356 31.952,21.226 cw(c32.077,21.226) 32.077,21.351 32.184,21.351 cw(c32.184,21.226) 32.308,21.226 32.308,20.356 ccw(c32.433,20.356) 32.433,20.231 32.54,20.231 ccw(c32.54,20.356) 32.664,20.356 32.664,21.226 cw(c32.789,21.226) 32.789,21.351 32.896,21.351 cw(c32.896,21.226) 33.02,21.226 33.02,20.356 ccw(c33.145,20.356) 33.145,20.231 33.252,20.231 ccw(c33.252,20.356) 33.376,20.356 33.376,21.226 cw(c33.501,21.226) 33.501,21.351 33.608,21.351 cw(c33.608,21.226) 33.732,21.226 33.732,21.164 ccw(c33.857,21.164) 33.857,21.04 34.113,21.04 U1.25@34.455,21.04
  Signal_T w0.229: U13.K9@26.707,22.313 27.076,22.682
FPGA_D14: U1.27 U13.J8 | length 15.5
  Signal_T w0.102: 26.263,21.869 27.889,21.869 27.925,21.833 ccw(c28.011,21.92) 28.098,21.833 ; 28.098,21.834 cw(c28.185,21.748) 28.271,21.834 28.314,21.791 cw(c28.228,21.705) 28.314,21.618 28.305,21.609 ccw(c28.391,21.522) 28.305,21.436 28.348,21.393 ccw(c28.434,21.479) 28.521,21.393 28.81,21.682 cw(c28.896,21.596) 28.982,21.682 29.025,21.639 cw(c28.939,21.552) 29.025,21.466 28.745,21.186 ccw(c28.832,21.1) 28.745,21.013 28.788,20.97 ccw(c28.875,21.057) 28.961,20.97 29.195,21.204 cw(c29.281,21.118) 29.367,21.204 29.411,21.161 cw(c29.324,21.074) 29.411,20.988 29.171,20.749 ccw(c29.258,20.663) 29.171,20.576 29.215,20.533 ccw(c29.301,20.619) 29.387,20.533 29.784,20.93 cw(c29.87,20.843) 29.956,20.93 30,20.887 cw(c29.913,20.8) 30,20.714 29.369,20.083 ccw(c29.455,19.997) 29.369,19.91 29.412,19.867 ccw(c29.498,19.954) 29.585,19.867 30.261,20.544 cw(c30.347,20.458) 30.434,20.544 30.477,20.501 cw(c30.391,20.414) 30.477,20.328 30.397,20.248 ccw(c30.483,20.162) 30.483,20.04 30.885,20.04 31.216,20.04 cw(c31.216,19.938) 31.318,19.938 31.318,19.905 ccw(c31.402,19.905) 31.402,19.821 31.513,19.821 ccw(c31.513,19.905) 31.597,19.905 31.597,19.956 cw(c31.681,19.956) 31.681,20.04 31.793,20.04 cw(c31.793,19.956) 31.877,19.956 31.877,19.905 ccw(c31.961,19.905) 31.961,19.821 32.073,19.821 ccw(c32.073,19.905) 32.157,19.905 32.157,19.956 cw(c32.241,19.956) 32.241,20.04 32.353,20.04 cw(c32.353,19.956) 32.437,19.956 32.437,19.905 ccw(c32.521,19.905) 32.521,19.821 32.633,19.821 ccw(c32.633,19.905) 32.717,19.905 32.717,19.938 cw(c32.818,19.938) 32.818,20.04 33.807,20.04 U1.27@34.455,20.04
  Signal_T w0.229: U13.J8@25.907,21.513 26.263,21.869